# KiCad board dalishen_pi_h7p20.kicad_pcb (continued)
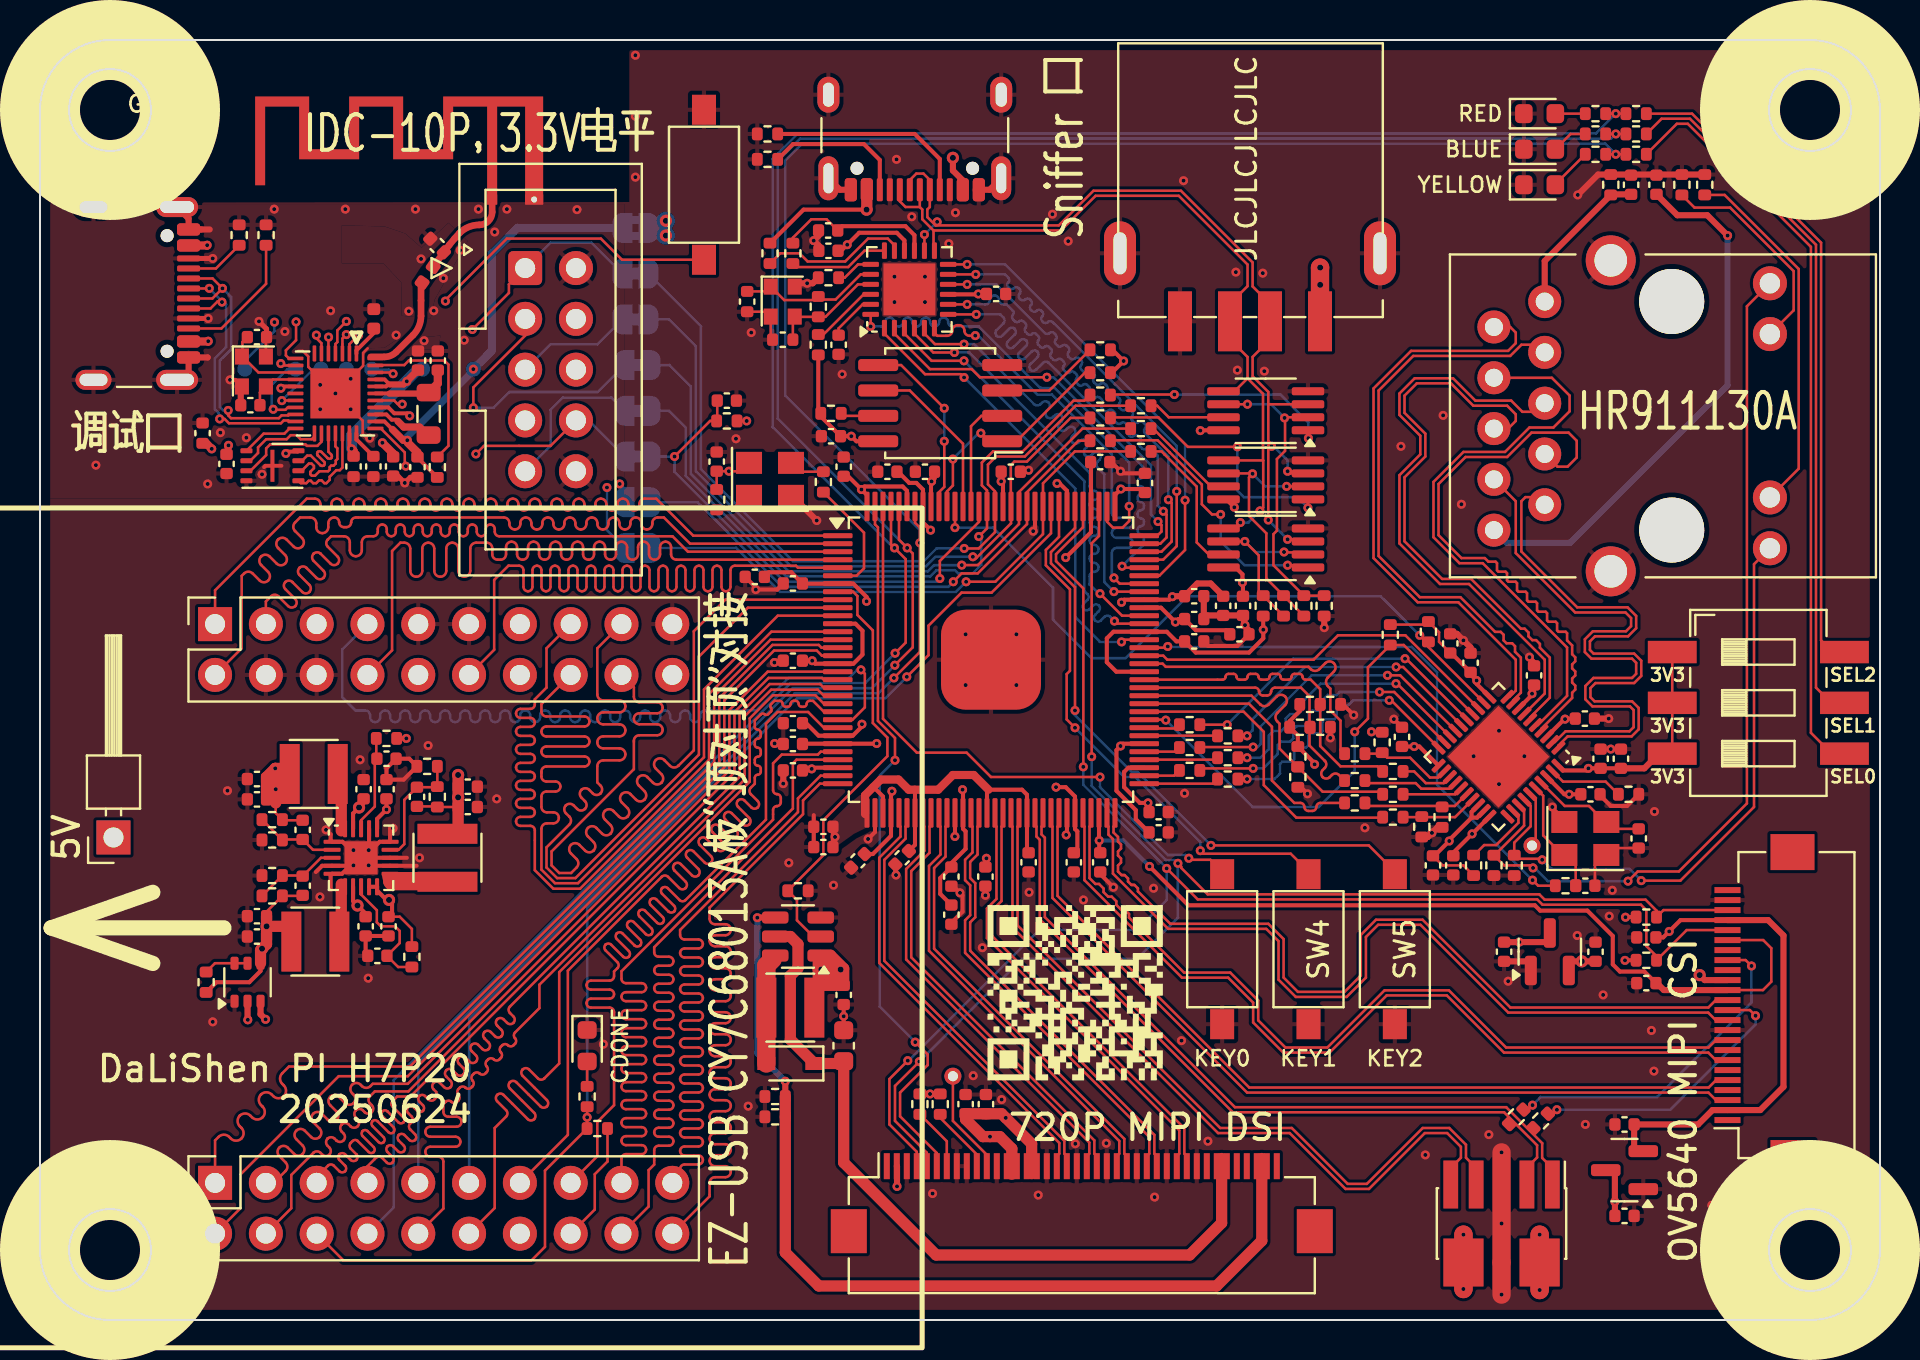
[diagram p0: board, top side]
## Routing (per net, layer and track width the routed paths; a pad name or vN(x,y) marks a point on that pad's centre or on a via; arc(x,y) is an arc through that point) (continued)
/CY_IFCLK: length 48.8
  Top w0.127: CY_J1.12 22.71,33.51 22.71,37.01 23.42,37.72 23.95,37.72 arc(24.11,37.65) 24.17,37.49 24.17,36.67 arc(24.24,36.51) 24.4,36.44 arc(24.56,36.51) 24.62,36.67 24.62,37.49 arc(24.69,37.65) 24.85,37.72 arc(25.01,37.65) 25.07,37.49 25.07,36.67 arc(25.14,36.51) 25.3,36.44 arc(25.46,36.51) 25.52,36.67 25.52,37.49 arc(25.59,37.65) 25.75,37.72 arc(25.91,37.65) 25.97,37.49 25.97,36.67 arc(26.04,36.51) 26.2,36.44 arc(26.36,36.51) 26.42,36.67 26.42,37.49 arc(26.49,37.65) 26.65,37.72 arc(26.81,37.65) 26.87,37.49 26.87,36.67 arc(26.94,36.51) 27.1,36.44 arc(27.26,36.51) 27.32,36.67 27.32,37.49 arc(27.39,37.65) 27.55,37.72 arc(27.71,37.65) 27.77,37.49 27.77,36.67 arc(27.84,36.51) 28,36.44 arc(28.16,36.51) 28.22,36.67 28.22,37.49 arc(28.29,37.65) 28.45,37.72 arc(28.61,37.65) 28.67,37.49 28.67,36.67 arc(28.74,36.51) 28.9,36.44 arc(29.06,36.51) 29.12,36.67 29.12,37.49 arc(29.19,37.65) 29.35,37.72 arc(29.51,37.65) 29.57,37.49 29.57,36.67 arc(29.64,36.51) 29.8,36.44 arc(29.96,36.51) 30.02,36.67 30.02,37.49 arc(30.09,37.65) 30.25,37.72 arc(30.41,37.65) 30.47,37.49 30.47,36.67 arc(30.54,36.51) 30.7,36.44 arc(30.86,36.51) 30.92,36.67 30.92,37.49 arc(30.99,37.65) 31.15,37.72 arc(31.31,37.65) 31.37,37.49 31.37,36.67 arc(31.44,36.51) 31.6,36.44 arc(31.76,36.51) 31.82,36.67 31.82,37.49 arc(31.89,37.65) 32.05,37.72 arc(32.21,37.65) 32.27,37.49 32.27,36.67 arc(32.34,36.51) 32.5,36.44 arc(32.66,36.51) 32.72,36.67 32.72,37.49 arc(32.79,37.65) 32.95,37.72 arc(33.11,37.65) 33.17,37.49 33.17,36.67 arc(33.24,36.51) 33.4,36.44 arc(33.56,36.51) 33.62,36.67 33.62,37.49 arc(33.69,37.65) 33.85,37.72 arc(34.01,37.65) 34.07,37.49 34.07,36.67 arc(34.14,36.51) 34.3,36.44 arc(34.46,36.51) 34.52,36.67 34.52,37.49 arc(34.59,37.65) 34.75,37.72 37.8,37.72 37.9,37.62 U3.5
/CY_PA0: length 48.8
  Top w0.127: CY_J2.13 26.39,9.26 26.39,17.47 31.08,22.16 arc(31.24,22.23) 31.4,22.16 31.96,21.6 arc(32.12,21.54) 32.28,21.6 arc(32.35,21.76) 32.28,21.92 31.72,22.48 arc(31.66,22.64) 31.72,22.8 arc(31.88,22.86) 32.04,22.8 32.6,22.24 arc(32.76,22.17) 32.92,22.24 arc(32.98,22.4) 32.92,22.56 32.36,23.12 arc(32.29,23.27) 32.36,23.43 arc(32.52,23.5) 32.68,23.43 33.23,22.87 arc(33.39,22.81) 33.55,22.87 arc(33.62,23.03) 33.55,23.19 32.99,23.75 arc(32.93,23.91) 32.99,24.07 arc(33.15,24.14) 33.31,24.07 33.87,23.51 arc(34.03,23.44) 34.19,23.51 arc(34.26,23.67) 34.19,23.83 33.63,24.39 arc(33.56,24.55) 33.63,24.71 arc(33.79,24.77) 33.95,24.71 34.51,24.15 arc(34.67,24.08) 34.83,24.15 arc(34.89,24.31) 34.83,24.47 34.27,25.02 arc(34.2,25.18) 34.27,25.34 arc(34.43,25.41) 34.58,25.34 35.14,24.78 arc(35.3,24.72) 35.46,24.78 arc(35.53,24.94) 35.46,25.1 34.9,25.66 arc(34.84,25.82) 34.9,25.98 arc(35.06,26.05) 35.22,25.98 35.57,25.63 arc(35.73,25.57) 35.89,25.63 arc(35.95,25.79) 35.89,25.95 35.54,26.3 arc(35.47,26.46) 35.54,26.62 35.74,26.82 35.74,27.12 arc(35.78,27.22) 35.89,27.27 arc(36,27.31) 36.04,27.42 36.04,27.57 arc(36,27.67) 35.89,27.72 arc(35.78,27.76) 35.74,27.87 35.74,28.02 arc(35.78,28.12) 35.89,28.17 arc(36,28.21) 36.04,28.32 36.04,28.47 arc(36,28.57) 35.89,28.62 arc(35.78,28.66) 35.74,28.77 35.74,28.92 arc(35.78,29.02) 35.89,29.07 arc(36,29.11) 36.04,29.22 36.04,29.37 arc(36,29.47) 35.89,29.52 arc(35.78,29.56) 35.74,29.67 35.74,29.98 36.05,30.29 arc(36.14,30.33) 36.23,30.29 arc(36.32,30.26) 36.41,30.29 36.55,30.43 arc(36.58,30.52) 36.55,30.61 arc(36.51,30.7) 36.55,30.79 36.72,30.96 36.98,30.96 arc(37.09,30.92) 37.13,30.81 arc(37.18,30.71) 37.28,30.66 37.38,30.66 arc(37.49,30.71) 37.53,30.81 arc(37.58,30.92) 37.68,30.96 37.78,30.96 arc(37.89,30.92) 37.93,30.81 arc(37.98,30.71) 38.08,30.66 38.18,30.66 arc(38.29,30.71) 38.33,30.81 arc(38.38,30.92) 38.48,30.96 38.65,30.96 39.19,30.42 U3.23
/CY_PA1: length 46.3
  Top w0.127: CY_J2.12 22.73,5.6 22.73,9.6 23.31,10.17 arc(23.37,10.33) 23.31,10.49 22.86,10.94 arc(22.79,11.1) 22.86,11.26 arc(23.02,11.32) 23.18,11.26 24.39,10.04 arc(24.55,9.98) 24.71,10.04 arc(24.77,10.2) 24.71,10.36 23.5,11.57 arc(23.43,11.73) 23.5,11.89 arc(23.65,11.96) 23.81,11.89 25.03,10.68 arc(25.18,10.61) 25.34,10.68 arc(25.41,10.84) 25.34,11 24.13,12.21 arc(24.07,12.37) 24.13,12.53 arc(24.29,12.59) 24.45,12.53 24.9,12.08 arc(25.06,12.02) 25.21,12.08 25.96,12.83 25.96,17.4 35.49,26.92 35.49,30.08 36.64,31.24 38.77,31.24 39.19,30.82 U3.22
/CY_PA3: length 46.3
  Top w0.127: CY_J2.10 20.17,5.57 20.17,7.91 arc(20.1,8.09) 19.92,8.16 19.52,8.16 arc(19.34,8.24) 19.27,8.41 arc(19.34,8.59) 19.52,8.66 20.77,8.66 arc(20.95,8.74) 21.02,8.91 arc(20.95,9.09) 20.77,9.16 19.52,9.16 arc(19.34,9.24) 19.27,9.41 arc(19.34,9.59) 19.52,9.66 20.82,9.66 arc(21,9.74) 21.07,9.91 arc(21,10.09) 20.82,10.16 20.42,10.16 arc(20.24,10.24) 20.17,10.41 20.17,10.79 20.29,10.91 arc(20.43,10.97) 20.57,10.91 arc(20.71,10.85) 20.85,10.91 20.92,10.98 arc(20.98,11.12) 20.92,11.27 arc(20.86,11.41) 20.92,11.55 20.99,11.62 arc(21.13,11.68) 21.28,11.62 arc(21.42,11.56) 21.56,11.62 21.63,11.69 arc(21.69,11.83) 21.63,11.97 arc(21.57,12.11) 21.63,12.26 21.7,12.33 arc(21.84,12.38) 21.98,12.33 arc(22.12,12.27) 22.27,12.33 22.34,12.4 arc(22.39,12.54) 22.34,12.68 arc(22.28,12.82) 22.34,12.96 22.41,13.03 arc(22.55,13.09) 22.69,13.03 arc(22.83,12.97) 22.97,13.03 23.04,13.1 arc(23.1,13.25) 23.04,13.39 arc(22.98,13.53) 23.04,13.67 23.11,13.74 arc(23.26,13.8) 23.4,13.74 arc(23.54,13.68) 23.68,13.74 23.75,13.81 arc(23.81,13.95) 23.75,14.09 arc(23.69,14.23) 23.75,14.38 24.97,15.6 24.97,16.76 35.23,27.03 35.23,30.19 36.56,31.52 38.89,31.52 39.19,31.22 U3.21
/CY_PKTEND: length 48.8
  Top w0.127: CY_J2.7 16.37,7.69 16.81,8.12 arc(16.95,8.18) 17.09,8.12 17.34,7.87 arc(17.48,7.81) 17.62,7.87 arc(17.68,8.01) 17.62,8.15 17.37,8.4 arc(17.32,8.54) 17.37,8.69 arc(17.52,8.74) 17.66,8.69 17.91,8.44 arc(18.05,8.38) 18.19,8.44 arc(18.25,8.58) 18.19,8.72 17.94,8.97 arc(17.88,9.11) 17.94,9.25 arc(18.08,9.31) 18.22,9.25 18.47,9 arc(18.61,8.94) 18.75,9 arc(18.81,9.14) 18.75,9.29 18.51,9.53 arc(18.45,9.68) 18.51,9.82 18.58,9.89 arc(18.64,10.03) 18.58,10.18 18.4,10.35 arc(18.34,10.49) 18.4,10.63 arc(18.54,10.69) 18.69,10.63 18.86,10.46 arc(19,10.4) 19.15,10.46 arc(19.2,10.6) 19.15,10.74 18.97,10.92 arc(18.91,11.06) 18.97,11.2 arc(19.11,11.26) 19.25,11.2 19.43,11.02 arc(19.57,10.97) 19.71,11.02 19.81,11.13 19.81,11.4 19.68,11.54 arc(19.61,11.69) 19.68,11.85 arc(19.84,11.92) 20,11.85 20.21,11.64 arc(20.37,11.58) 20.52,11.64 arc(20.59,11.8) 20.52,11.96 20.31,12.17 arc(20.25,12.33) 20.31,12.49 arc(20.47,12.56) 20.63,12.49 20.84,12.28 arc(21,12.21) 21.16,12.28 arc(21.23,12.44) 21.16,12.6 20.95,12.81 arc(20.88,12.97) 20.95,13.13 arc(21.11,13.19) 21.27,13.13 21.48,12.92 arc(21.64,12.85) 21.8,12.92 arc(21.86,13.08) 21.8,13.23 21.59,13.44 arc(21.52,13.6) 21.59,13.76 arc(21.75,13.83) 21.91,13.76 22.12,13.55 arc(22.27,13.49) 22.43,13.55 arc(22.5,13.71) 22.43,13.87 22.22,14.08 arc(22.16,14.24) 22.22,14.4 arc(22.38,14.46) 22.54,14.4 22.75,14.19 arc(22.91,14.12) 23.07,14.19 arc(23.14,14.35) 23.07,14.51 22.86,14.72 arc(22.79,14.88) 22.86,15.04 arc(23.02,15.1) 23.18,15.04 23.35,14.86 arc(23.51,14.79) 23.67,14.86 arc(23.74,15.02) 23.67,15.18 23.5,15.35 arc(23.43,15.51) 23.5,15.67 34.98,27.15 34.98,30.29 36.48,31.8 39.01,31.8 39.19,31.62 U3.20
/CY_SLRD: length 47.3
  Top w0.127: v1(41.05,32.51) 41.24,32.32 41.24,30.64 40.62,30.02 U3.24
  Bottom w0.127: CY_J1.7 15.11,33.54 15.11,31.14 15.77,30.48 16.26,30.48 arc(16.43,30.41) 16.51,30.23 16.51,30.15 arc(16.58,29.97) 16.76,29.9 arc(16.93,29.97) 17.01,30.15 17.01,30.23 arc(17.08,30.41) 17.26,30.48 arc(17.43,30.41) 17.51,30.23 17.51,30.15 arc(17.58,29.97) 17.76,29.9 arc(17.93,29.97) 18.01,30.15 18.01,30.23 arc(18.08,30.41) 18.26,30.48 arc(18.43,30.41) 18.51,30.23 18.51,30.15 arc(18.58,29.97) 18.76,29.9 arc(18.93,29.97) 19.01,30.15 19.01,30.23 arc(19.08,30.41) 19.26,30.48 arc(19.43,30.41) 19.51,30.23 19.51,30.15 arc(19.58,29.97) 19.76,29.9 arc(19.93,29.97) 20.01,30.15 20.01,30.23 arc(20.08,30.41) 20.26,30.48 arc(20.43,30.41) 20.51,30.23 20.51,30.15 arc(20.58,29.97) 20.76,29.9 arc(20.93,29.97) 21.01,30.15 21.01,30.23 arc(21.08,30.41) 21.26,30.48 arc(21.43,30.41) 21.51,30.23 21.51,30.15 arc(21.58,29.97) 21.76,29.9 arc(21.93,29.97) 22.01,30.15 22.01,30.23 arc(22.08,30.41) 22.26,30.48 arc(22.43,30.41) 22.51,30.23 22.51,30.15 arc(22.58,29.97) 22.76,29.9 arc(22.93,29.97) 23.01,30.15 23.01,30.23 arc(23.08,30.41) 23.26,30.48 arc(23.43,30.41) 23.51,30.23 23.51,30.15 arc(23.58,29.97) 23.76,29.9 arc(23.93,29.97) 24.01,30.15 24.01,30.23 arc(24.08,30.41) 24.26,30.48 arc(24.43,30.41) 24.51,30.23 24.51,30.15 arc(24.58,29.97) 24.76,29.9 arc(24.93,29.97) 25.01,30.15 25.01,30.23 arc(25.08,30.41) 25.26,30.48 arc(25.43,30.41) 25.51,30.23 25.51,30.15 arc(25.58,29.97) 25.76,29.9 arc(25.93,29.97) 26.01,30.15 26.01,30.23 arc(26.08,30.41) 26.26,30.48 arc(26.43,30.41) 26.51,30.23 26.51,30.15 arc(26.58,29.97) 26.76,29.9 arc(26.93,29.97) 27.01,30.15 27.01,30.23 arc(27.08,30.41) 27.26,30.48 arc(27.43,30.41) 27.51,30.23 27.51,30.15 arc(27.58,29.97) 27.76,29.9 arc(27.93,29.97) 28.01,30.15 28.01,30.23 arc(28.08,30.41) 28.26,30.48 arc(28.43,30.41) 28.51,30.23 28.51,30.15 arc(28.58,29.97) 28.76,29.9 arc(28.93,29.97) 29.01,30.15 29.01,30.23 arc(29.08,30.41) 29.26,30.48 arc(29.43,30.41) 29.51,30.23 29.51,30.15 arc(29.58,29.97) 29.76,29.9 arc(29.93,29.97) 30.01,30.15 30.01,30.23 arc(30.08,30.41) 30.26,30.48 arc(30.43,30.41) 30.51,30.23 30.51,30.15 arc(30.58,29.97) 30.76,29.9 arc(30.93,29.97) 31.01,30.15 31.01,30.23 arc(31.08,30.41) 31.26,30.48 arc(31.43,30.41) 31.51,30.23 31.51,30.15 arc(31.58,29.97) 31.76,29.9 arc(31.93,29.97) 32.01,30.15 32.01,30.23 arc(32.08,30.41) 32.26,30.48 arc(32.43,30.41) 32.51,30.23 32.51,30.15 arc(32.58,29.97) 32.76,29.9 arc(32.93,29.97) 33.01,30.15 33.01,30.23 arc(33.08,30.41) 33.26,30.48 35.8,30.48 37.43,32.11 40.45,32.11 40.86,32.51 v1(41.05,32.51)
/CY_SLWR: length 48.8
  Top w0.127: 16.55,32.44 17.6,33.49 17.6,38.46 18.02,38.87 18.21,38.87 arc(18.43,38.78) 18.51,38.57 18.51,37.47 arc(18.6,37.25) 18.81,37.17 arc(19.03,37.25) 19.11,37.47 19.11,38.57 arc(19.2,38.78) 19.41,38.87 arc(19.63,38.78) 19.71,38.57 19.71,37.47 arc(19.8,37.25) 20.01,37.17 arc(20.23,37.25) 20.31,37.47 20.31,38.57 arc(20.4,38.78) 20.61,38.87 arc(20.83,38.78) 20.91,38.57 20.91,37.47 arc(21,37.25) 21.21,37.17 arc(21.43,37.25) 21.51,37.47 21.51,38.57 arc(21.6,38.78) 21.81,38.87 22.34,38.87 arc(22.53,38.79) 22.61,38.59 22.61,38.29 arc(22.69,38.1) 22.89,38.02 23.03,38.02 arc(23.22,38.1) 23.3,38.29 23.3,38.64 arc(23.38,38.84) 23.58,38.92 arc(23.77,38.84) 23.85,38.64 23.85,38.29 arc(23.93,38.1) 24.13,38.02 arc(24.32,38.1) 24.4,38.29 24.4,38.64 arc(24.48,38.84) 24.68,38.92 arc(24.87,38.84) 24.95,38.64 24.95,38.29 arc(25.03,38.1) 25.23,38.02 arc(25.42,38.1) 25.5,38.29 25.5,38.64 arc(25.58,38.84) 25.78,38.92 arc(25.97,38.84) 26.05,38.64 26.05,38.29 arc(26.13,38.1) 26.33,38.02 arc(26.52,38.1) 26.6,38.29 26.6,38.64 arc(26.68,38.84) 26.88,38.92 arc(27.07,38.84) 27.15,38.64 27.15,38.29 arc(27.23,38.1) 27.43,38.02 arc(27.62,38.1) 27.7,38.29 27.7,38.64 arc(27.78,38.84) 27.98,38.92 arc(28.17,38.84) 28.25,38.64 28.25,38.29 arc(28.33,38.1) 28.53,38.02 arc(28.72,38.1) 28.8,38.29 28.8,38.64 arc(28.88,38.84) 29.08,38.92 arc(29.27,38.84) 29.35,38.64 29.35,38.29 arc(29.43,38.1) 29.63,38.02 arc(29.82,38.1) 29.9,38.29 29.9,38.64 arc(29.98,38.84) 30.18,38.92 arc(30.37,38.84) 30.45,38.64 30.45,38.29 arc(30.53,38.1) 30.73,38.02 arc(30.92,38.1) 31,38.29 31,38.64 arc(31.08,38.84) 31.28,38.92 arc(31.47,38.84) 31.55,38.64 31.55,38.29 arc(31.63,38.1) 31.83,38.02 U3.4
/ET3036C_CJ3439KDW/EA3036_EN2: length 6.4
  Top w0.127: U6.8 16.05,21.28 16.84,20.49 16.84,19.89 17.04,19.68 17.76,19.68 17.98,19.46 17.98,18.85 C40.2 17.91,17.65 18.59,17.65
/ET3036C_CJ3439KDW/EA3036_EN3: length 4.9
  Top w0.127: R36.1 16.81,28.1 C39.2 16.74,27.96 16.74,25.68 16.05,24.99 U6.18
/FPGA_ETHA_25M: length 28.8
  Top w0.127: R6.1 74.91,21.72 v1(74.63,22) ; v1(56.39,33.68) 56.33,33.62 U3.82
  Bottom w0.127: v1(74.63,22) 69.85,26.77 69.85,32.38 68.58,33.65 56.41,33.65 v1(56.39,33.68)
/FPGA_ETHA_MDC: length 18.8
  Top w0.127: U3.81 56.16,33.22 56.36,33.02 63.68,33.02 64.9,34.24 68.27,34.24 U1.13
/FPGA_ETHA_MDIO: length 25.6
  Top w0.127: v1(65.74,29.41) 66.4,30.07 66.4,32.64 R44.2 68.19,33.75 U1.14 ; v1(56.29,30) 56.27,30.02 U3.73
  Bottom w0.127: v1(56.29,30) 60.63,25.65 63.93,25.65 65.74,27.46 v1(65.74,29.41)
/FPGA_ETHA_RST_B: length 34.8
  Top w0.127: U1.12 69.42,33.65 R41.2 69.32,33.91 v1(68.99,34.24) ; U3.117 45.75,39.63 v1(45.75,39.62)
  Bottom w0.127: v1(45.75,39.62) 47.65,39.62 50.65,36.63 50.65,35.03 52.58,33.1 54.28,33.1 57.38,36.19 67.03,36.19 v1(68.99,34.24)
/FPGA_ETHA_RXCK: length 15.7
  Top w0.127: U3.74 60.18,30.42 61.19,29.41 61.19,26.75 62.82,25.12 67.11,25.12 67.13,25.15
/FPGA_ETHA_RXCTL: length 14.1
  Top w0.127: R71.1 64.02,25.86 arc(63.88,25.8) 63.82,25.66 arc(63.76,25.52) 63.62,25.46 63.42,25.46 arc(63.28,25.52) 63.22,25.66 arc(63.16,25.8) 63.02,25.86 62.71,25.86 61.6,26.97 61.6,29.67 60.44,30.82 U3.75
/FPGA_ETHA_RXD0: length 16.5
  Top w0.127: U3.76 60.58,31.22 61.01,30.78 arc(61.23,30.69) 61.44,30.78 61.83,31.18 arc(62.05,31.26) 62.26,31.18 arc(62.35,30.96) 62.26,30.75 61.86,30.36 arc(61.78,30.15) 61.86,29.93 61.98,29.82 61.98,28.57 64.14,26.42 67,26.42 67.13,26.29
/FPGA_ETHA_RXD1: length 14.7
  Top w0.127: U3.77 60.76,31.62 arc(60.9,31.56) 60.95,31.42 arc(61.01,31.29) 61.15,31.23 61.36,31.23 arc(61.5,31.29) 61.55,31.42 arc(61.61,31.56) 61.75,31.62 63.05,31.62 63.48,31.19 63.48,28.73 64.24,27.96 64.24,27.96 arc(64.32,27.78) 64.24,27.61 64.14,27.5 arc(64.06,27.32) 64.14,27.15 arc(64.31,27.07) 64.49,27.15 64.6,27.25 arc(64.77,27.33) 64.95,27.25 R73.1
/FPGA_ETHA_RXD2: length 16.8
  Top w0.127: U3.78 59.13,32.02 arc(59.23,32.06) 59.28,32.17 arc(59.32,32.27) 59.42,32.31 59.68,32.31 arc(59.78,32.27) 59.83,32.17 arc(59.87,32.06) 59.97,32.02 60.23,32.02 arc(60.33,32.06) 60.38,32.17 arc(60.42,32.27) 60.52,32.31 60.78,32.31 arc(60.88,32.27) 60.93,32.17 arc(60.97,32.06) 61.07,32.02 61.33,32.02 arc(61.43,32.06) 61.48,32.17 arc(61.52,32.27) 61.62,32.31 61.88,32.31 arc(61.98,32.27) 62.03,32.17 arc(62.07,32.06) 62.17,32.02 62.43,32.02 arc(62.53,32.06) 62.58,32.17 arc(62.62,32.27) 62.72,32.31 62.98,32.31 arc(63.08,32.27) 63.13,32.17 arc(63.17,32.06) 63.27,32.02 63.54,32.02 64.01,31.55 64.01,28.7 65.03,27.69 66.88,27.69 67.13,27.43
/FPGA_ETHA_RXD3: length 14.9
  Top w0.127: U3.80 56.13,32.82 56.29,32.66 63.43,32.66 63.54,32.55 arc(63.75,32.46) 63.97,32.55 64.26,32.85 arc(64.48,32.93) 64.69,32.85 arc(64.78,32.63) 64.69,32.42 64.39,32.12 arc(64.3,31.91) 64.39,31.7 64.52,31.57 64.52,30.48 65.03,29.97 65.03,28.52 65.23,28.32
/FPGA_ETHA_TXCK: length 3.8
  Top w0.127: R83.1 58.65,26.82 U3.65
/FPGA_ETHA_TXCTL: length 1.9
  Top w0.127: R84.1 56.71,27.22 U3.66
/FPGA_ETHA_TXD0: length 3.7
  Top w0.127: U3.68 58.78,28.02 R85.1
/FPGA_ETHA_TXD1: length 1.8
  Top w0.127: U3.69 56.77,28.42 R86.1
/FPGA_ETHA_TXD2: length 3.7
  Top w0.127: R87.1 58.87,29.22 U3.71
/FPGA_ETHA_TXD3: length 1.9
  Top w0.127: U3.72 55.25,29.58 56.78,29.58 R91.1
/FPGA_FLASH_CLK: length 8.5
  Top w0.127: U7.6 43.49,46.48 46.15,43.82 U3.116
/FPGA_FLASH_CS: length 11.5
  Top w0.127: v1(45.65,43.05) 45.65,41.73 45.35,41.44 U3.118 ; v1(47.04,44.35) 47.07,44.35 47.47,43.94 U7.1 48.82,43.94 52.25,47.37 R80.2
  Bottom w0.127: v1(45.65,43.05) 46.94,44.35 v1(47.04,44.35)
/FPGA_FLASH_MISO: length 5.8
  Top w0.127: U3.115 46.55,44.69 47.07,45.21 U7.2
/FPGA_FLASH_MOSI: length 9.2
  Top w0.127: U3.119 44.95,41.4 45.21,41.66 v1(45.21,43.94) ; v1(45.21,45.59) 43.05,47.75 U7.5
  Bottom w0.127: v1(45.21,45.59) v1(45.21,43.94)
/FPGA_RX: length 27.7
  Top w0.127: v1(45.67,36.92) 46.08,37.33 46.88,37.33 49.35,39.8 U3.108 49.35,41.4 51.92,43.97 R24.2
  Bottom w0.127: JP1.1 32.88,40.89 37.11,36.66 45.41,36.66 v1(45.67,36.92)
/FPGA_TCK: length 40
  Top w0.127: R27.2 51.78,45.72 49.24,43.18 47.8,43.18 47.4,42.77 47.4,41.79 47.75,41.44 U3.112 47.75,39.4 46.94,38.58 v1(46.21,38.58)
  Bottom w0.127: JP5.1 33.05,49.7 33.05,42.55 37.65,37.94 44.19,37.94 44.83,38.58 v1(46.21,38.58)
/FPGA_TDI: length 34
  Top w0.127: v1(46.94,39.18) 47.35,39.59 U3.113 47.35,41.48 47.09,41.74 47.09,42.88 47.65,43.43 49.14,43.43 51.68,45.97 52.22,45.97 R28.2
  Bottom w0.127: v1(46.94,39.18) 47.06,39.06 47.06,37.76 46.63,37.33 45.91,37.33 45.75,37.5 44.82,37.5 44.51,37.18 37.31,37.18 32.28,42.21 32.28,44.63 31.45,45.47 JP3.1
/FPGA_TDO: length 34.7
  Top w0.127: R25.2 52.12,44.58 48.95,41.4 U3.109 48.95,39.8 46.89,37.75 v1(46.09,37.75)
  Bottom w0.127: JP6.1 31.47,47.75 32.54,46.69 32.54,42.32 37.42,37.44 44.4,37.44 44.71,37.75 v1(46.09,37.75)
/FPGA_TMS: length 35.7
  Top w0.127: v1(46.64,38.17) 46.71,38.1 46.81,38.1 48.55,39.84 U3.110 48.54,40.69 48.54,42.75 48.72,42.93 49.35,42.93 51.53,45.11 R26.2
  Bottom w0.127: v1(46.64,38.17) 44.77,38.17 44.3,37.69 37.55,37.69 32.79,42.44 32.79,48.69 31.45,50.04 JP4.1
/FPGA_TX: length 29.3
  Top w0.127: v1(46.31,36.92) 47.76,36.92 50.15,39.3 U3.106 50.15,41.84 51.74,43.43 R23.2
  Bottom w0.127: v1(46.31,36.92) 45.8,36.41 37.01,36.41 34.81,38.61 JP10.1
/KEY0: length 31.2
  Top w0.127: v1(57.44,23.09) 57.52,23.01 58.52,23.01 59.11,22.43 SW1.1 ; v1(53,27.15) 47.55,27.15 46.33,28.37 43.84,28.37 42.15,30.06 U3.126
  Bottom w0.127: v1(57.44,23.09) 57.28,23.25 56.39,23.25 53,26.65 v1(53,27.15)
/KEY1: length 27.1
  Top w0.127: U3.104 50.95,39.16 50.29,38.51 50.29,37.74 51.5,36.53 51.5,32.46 51.33,32.3 51.33,30.03 v1(51.75,29.62) ; v1(58.01,23.47) 58.17,23.32 62.54,23.32 63.43,22.43 SW4.1
  Bottom w0.127: v1(51.75,29.62) 54.21,27.15 54.77,27.15 58.01,23.91 v1(58.01,23.47)
/KEY2: length 30.8
  Top w0.127: SW5.1 67.74,22.43 66.44,23.73 v1(58.55,23.73) ; v1(51.75,30.48) 51.75,36.64 50.55,37.84 50.55,38.4 51.75,39.6 U3.102
  Bottom w0.127: v1(58.55,23.73) 54.87,27.41 54.59,27.41 51.75,30.24 v1(51.75,30.48)
/LED_PWM: length 21.7
  Top w0.127: U4.2 38.66,19.18 37.85,19.99 37.85,21 R63.1 39.17,23.24 39.17,24.99 42.37,28.19 42.37,29.13 41.64,29.85 41.64,34.48 40.87,35.26 40.87,36.2 40.65,36.42 U3.8
/LEDA: length 39.2
  Top w0.559: U4.5 37.52,19.18 37.9,18.8 37.9,17.6 37.52,17.21 37.52,14.03 D8.1 40.07,12.83 C69.2 40.18,7.87 44.81,3.25 57.48,3.25 59.08,4.85 59.08,8.08
/LEDK: length 47.8
  Top w0.305: v1(37.26,11.94) 37.27,11.94 R65.1 ; v1(35.87,20.12) 35.88,20.13 U4.4
  Top w0.559: 61.09,8.08 61.09,3.96 58.83,1.7 38.94,1.7 37.27,3.38 R64.1 R65.1
  Bottom w0.305: v1(35.87,20.12) 35.87,13.33 v1(37.26,11.94)
/OV/TP_SCL: length 76.8
  Top w0.127: v1(56.34,22.58) 57.89,21.03 74.86,21.03 75.13,20.76 80.05,20.76 80.32,20.5 80.32,18.7 80.83,18.19 R68.1 82.33,19.5 J7.20 ; v1(52.17,27.66) 52.17,36.58 50.8,37.95 50.8,38.3 52.15,39.64 U3.101 ; v1(43.39,12.97) 42.47,12.05 42.47,9.78 43.84,8.41 J9.4
  Bottom w0.127: v1(43.39,12.97) 43.43,12.97 49.96,19.51 54.84,19.51 56.34,21 v1(56.34,22.58) 56.34,22.59 52.17,26.76 v1(52.17,27.66)
/OV/TP_SDA: length 74.3
  Top w0.127: 81,20.33 R69.1 ; R69.1 80.83,20.47 80.28,21.02 75.23,21.02 74.97,21.29 58.38,21.29 57.06,22.61 57.06,22.67 v1(56.9,22.84) ; R69.1 81.18,20.5 J7.22 ; U3.99 52.95,39.21 52.58,38.84 v1(52.58,28.17) ; v1(43.97,12.92) 42.75,11.7 42.75,9.96 44.34,8.37 J9.5
  Bottom w0.127: v1(52.58,28.17) 52.58,26.7 56.29,23 56.73,23 v1(56.9,22.84) 56.9,20.12 54.84,18.06 49.1,18.06 v1(43.97,12.92)
/OV_MCLK: length 14.2
  Top w0.127: R11.1 75.65,10.32 v1(75.85,10.52) ; v1(85.78,15.21) 85.49,15.5 J7.12
  Bottom w0.127: v1(75.85,10.52) 81.51,10.52 85.78,14.78 v1(85.78,15.21)
/OV_PWDN: length 16.8
  Top w0.127: v1(74.63,10.74) 74.4,10.52 R9.1 ; J7.17 85.28,18 v1(85.57,17.7)
  Bottom w0.127: v1(74.63,10.74) 75.03,11.15 80.85,11.15 85.57,15.88 v1(85.57,17.7)
/TP_INT: length 36
  Top w0.127: v1(42.75,27.99) 42.75,29.1 41.9,29.96 41.9,39.64 41.75,39.79 U3.127 ; v1(43.76,13.9) 44.38,13.28 44.38,12.75 43,11.37 43,10.19 44.84,8.35 J9.6
  Bottom w0.127: v1(43.76,13.9) 41.99,15.67 41.99,27.23 v1(42.75,27.99)
/USB20_DM_CMP1: length 11.7
  Top w0.127: v1(63.42,44.09) 63.4,44.12 63.4,44.49 ; R28.1 53.55,46.28 v1(56.72,46.28)
  Bottom w0.127: v1(56.72,46.28) 62.02,46.28 63.42,44.88 v1(63.42,44.09)
/USB20_DM_CMP2: length 13.5
  Top w0.127: U18.1 63.4,40.62 v1(63.4,40.61) ; v1(59.87,43.66) 57.39,43.66 55.92,45.14 53.55,45.14 R26.1
  Bottom w0.127: v1(59.87,43.66) 59.87,41.48 60.2,41.15 62.86,41.15 v1(63.4,40.61)
/USB20_DM_CMP3: length 13.9
  Top w0.127: R24.1 53.55,43.99 55.88,43.99 56.49,43.38 56.49,43.38 58.09,41.78 58.09,40.79 58.6,40.28 v1(59.03,40.28) ; v1(62.38,37.74) 62.39,37.73 63.4,37.73
  Bottom w0.127: v1(59.03,40.28) 59.03,38.94 60.22,37.74 v1(62.38,37.74)
/USB20_DP_CMP1: length 3.9
  Top w0.127: R27.1 55.86,45.72 56.43,45.14 U2.7
/USB20_DP_CMP2: length 4.8
  Top w0.127: R25.1 55.66,44.58 56.74,43.49 56.74,43.48 58.54,41.69 U18.7
/USB20_DP_CMP3: length 7.4
  Top w0.127: R23.1 56.08,43.43 56.24,43.28 56.24,43.27 57.84,41.67 57.84,38.88 58.44,38.28 U19.7
/USB334x/CMP_REF_1: length 15.3
  Top w0.127: R10.1 R3.2 61.67,37.74 61.67,39.3 61.85,39.47 61.85,43.05 62.25,43.46 62.25,45.08 v1(62.23,45.11) 62.26,45.14 U2.2 ; 59.17,45.79 60.37,45.79 v1(60.37,45.8)
  Bottom w0.127: v1(62.23,45.11) 61.54,45.8 v1(60.37,45.8)
/USB334x/CMP_REF_2: length 12.8
  Top w0.127: U18.6 60.61,42.34 v1(60.63,42.32) 60.45,42.14 60.45,40.21 61.32,39.34 61.32,37.08 R2.2 63.19,35.21 R3.1 ; v1(62.33,41.69) U18.2
  Bottom w0.127: v1(62.33,41.69) 61.26,41.69 v1(60.63,42.32)
/USB334x/CMP_REF_3: length 9
  Top w0.127: U19.6 v1(60.24,38.93) 60.94,38.24 60.94,36.45 62.18,35.21 R2.1 ; v1(62.2,38.4) 62.22,38.38 63.4,38.38
  Bottom w0.127: v1(62.2,38.4) 60.77,38.4 v1(60.24,38.93)
/USB334x/T_VBUS: length 39.5
  Top w0.203: R79.1 38.18,55.52 v2(41.33,55.52)
  Top w0.305: v2(45.65,58.12) 45.65,57.48 46.14,56.99 J2.A4
  Top w0.559: J2.A9 41.34,55.54 v2(41.33,55.52)
  Top w0.914: J3.1 64,52.62 v2(64.01,52.63)
  In2.Cu w0.559: 45.18,58.53 45.23,58.53 v2(45.65,58.12)
  In2.Cu w0.914: v2(41.33,55.52) 42.17,55.52 45.9,59.26 57.38,59.26 v2(64.01,52.63) v2(64.01,51.77)
/USB334x/USB20_D_N: length 45.4
  Top w0.127: v1(44.86,54.91) 44.86,54.81 44.78,54.74 ; 63.4,39.03 62.38,39.03 v1(62.38,39.04) ; J2.A7 43.49,57 43.82,57.33 44.17,57.33 44.49,57.01 J2.B7 44.49,55.66 44.37,55.53 44.37,55.15 44.78,54.74 ; v1(44.22,54.28) 44.22,54.28 U20.14 ; v1(61.41,40) 61.41,43.63 61.58,43.79 61.41,43.95 61.41,45.8 ; v1(62.38,42.44) 62.49,42.34 U18.3 ; 44.78,54.74 50.94,54.74 52.67,56.47 57.05,56.47 60.63,52.88 60.63,51.68 61.5,50.81 61.5,49.03 60.63,48.16 60.63,47.19 61.41,46.41 61.41,45.8 ; 63.4,45.79 61.42,45.79 61.41,45.8
  Bottom w0.127: v1(44.86,54.91) v1(44.22,54.28) ; v1(61.41,40) v1(62.38,39.04) ; 61.58,43.79 62.38,42.99 v1(62.38,42.44)
  vias: v1(61.58,43.69)
/USB334x/USB20_D_P: length 41.9
  Top w0.127: 60.38,47.09 61.15,46.31 61.15,42.99 ; 60.38,47.09 60.38,48.16 59.5,49.03 59.5,50.83 60.38,51.7 60.38,52.78 56.94,56.22 52.78,56.22 51.05,54.48 44.68,54.48 ; 60.38,47.09 59.73,46.44 U2.5 ; 44.68,54.48 44.11,55.05 44.11,55.53 43.99,55.66 ; 44.68,54.48 44.68,53.52 U20.13 ; v1(60.02,39.88) 59.82,39.68 59.17,39.68 ; J2.B6 42.99,55.94 43.28,55.66 43.99,55.66 ; 61.15,42.99 U18.5 ; 61.15,42.99 61.16,42.98 61.16,40.62 v1(61,40.46) ; 43.99,55.66 J2.A6
  Bottom w0.127: v1(61,40.46) 60.42,39.88 v1(60.02,39.88)
/USB334x_CLK: length 23.5
  Top w0.127: U3.92 54.18,37.62 v1(54.1,37.69) ; U20.2 42.72,49.33 44.5,47.55 46.58,47.55 46.99,47.14 v1(50.34,47.14)
  Bottom w0.127: v1(50.34,47.14) 50.67,47.14 55.2,42.62 55.2,42.25 arc(55.15,42.14) 55.04,42.1 arc(54.93,42.05) 54.89,41.94 54.89,41.85 arc(54.93,41.74) 55.04,41.7 arc(55.15,41.65) 55.2,41.54 55.2,41.45 arc(55.15,41.34) 55.04,41.3 arc(54.93,41.25) 54.89,41.14 54.89,41.05 arc(54.93,40.94) 55.04,40.9 arc(55.15,40.85) 55.2,40.74 55.2,40.65 arc(55.15,40.54) 55.04,40.5 arc(54.93,40.45) 54.89,40.34 54.89,40.25 arc(54.93,40.14) 55.04,40.1 arc(55.15,40.05) 55.2,39.94 55.2,39.85 arc(55.15,39.74) 55.04,39.7 arc(54.93,39.65) 54.89,39.54 54.89,39.45 arc(54.93,39.34) 55.04,39.3 arc(55.15,39.25) 55.2,39.14 55.2,38.79 v1(54.1,37.69)
/USB334x_D0: length 23.4
  Top w0.127: v1(53,36.32) 54.1,35.22 U3.86 ; U20.4 43.72,49.33 44.67,48.38 v1(45.72,48.38)
  Bottom w0.127: v1(45.72,48.38) 46.46,48.38 52.48,42.37 52.48,41.69 arc(52.54,41.53) 52.7,41.46 arc(52.86,41.39) 52.93,41.24 arc(52.86,41.08) 52.7,41.01 arc(52.54,40.94) 52.48,40.79 arc(52.54,40.63) 52.7,40.56 arc(52.86,40.49) 52.93,40.34 arc(52.86,40.18) 52.7,40.11 arc(52.54,40.04) 52.48,39.89 arc(52.54,39.73) 52.7,39.66 arc(52.86,39.59) 52.93,39.44 arc(52.86,39.28) 52.7,39.21 arc(52.54,39.14) 52.48,38.99 arc(52.54,38.83) 52.7,38.76 arc(52.86,38.69) 52.93,38.54 arc(52.86,38.38) 52.7,38.31 arc(52.54,38.24) 52.48,38.09 arc(52.54,37.93) 52.7,37.86 arc(52.86,37.79) 52.93,37.64 arc(52.86,37.48) 52.7,37.41 arc(52.54,37.34) 52.48,37.19 52.48,36.78 52.93,36.32 v1(53,36.32)
